# Altium PCB TIDA-010933-RevA.PcbDoc (part 1 of 9) (continued)
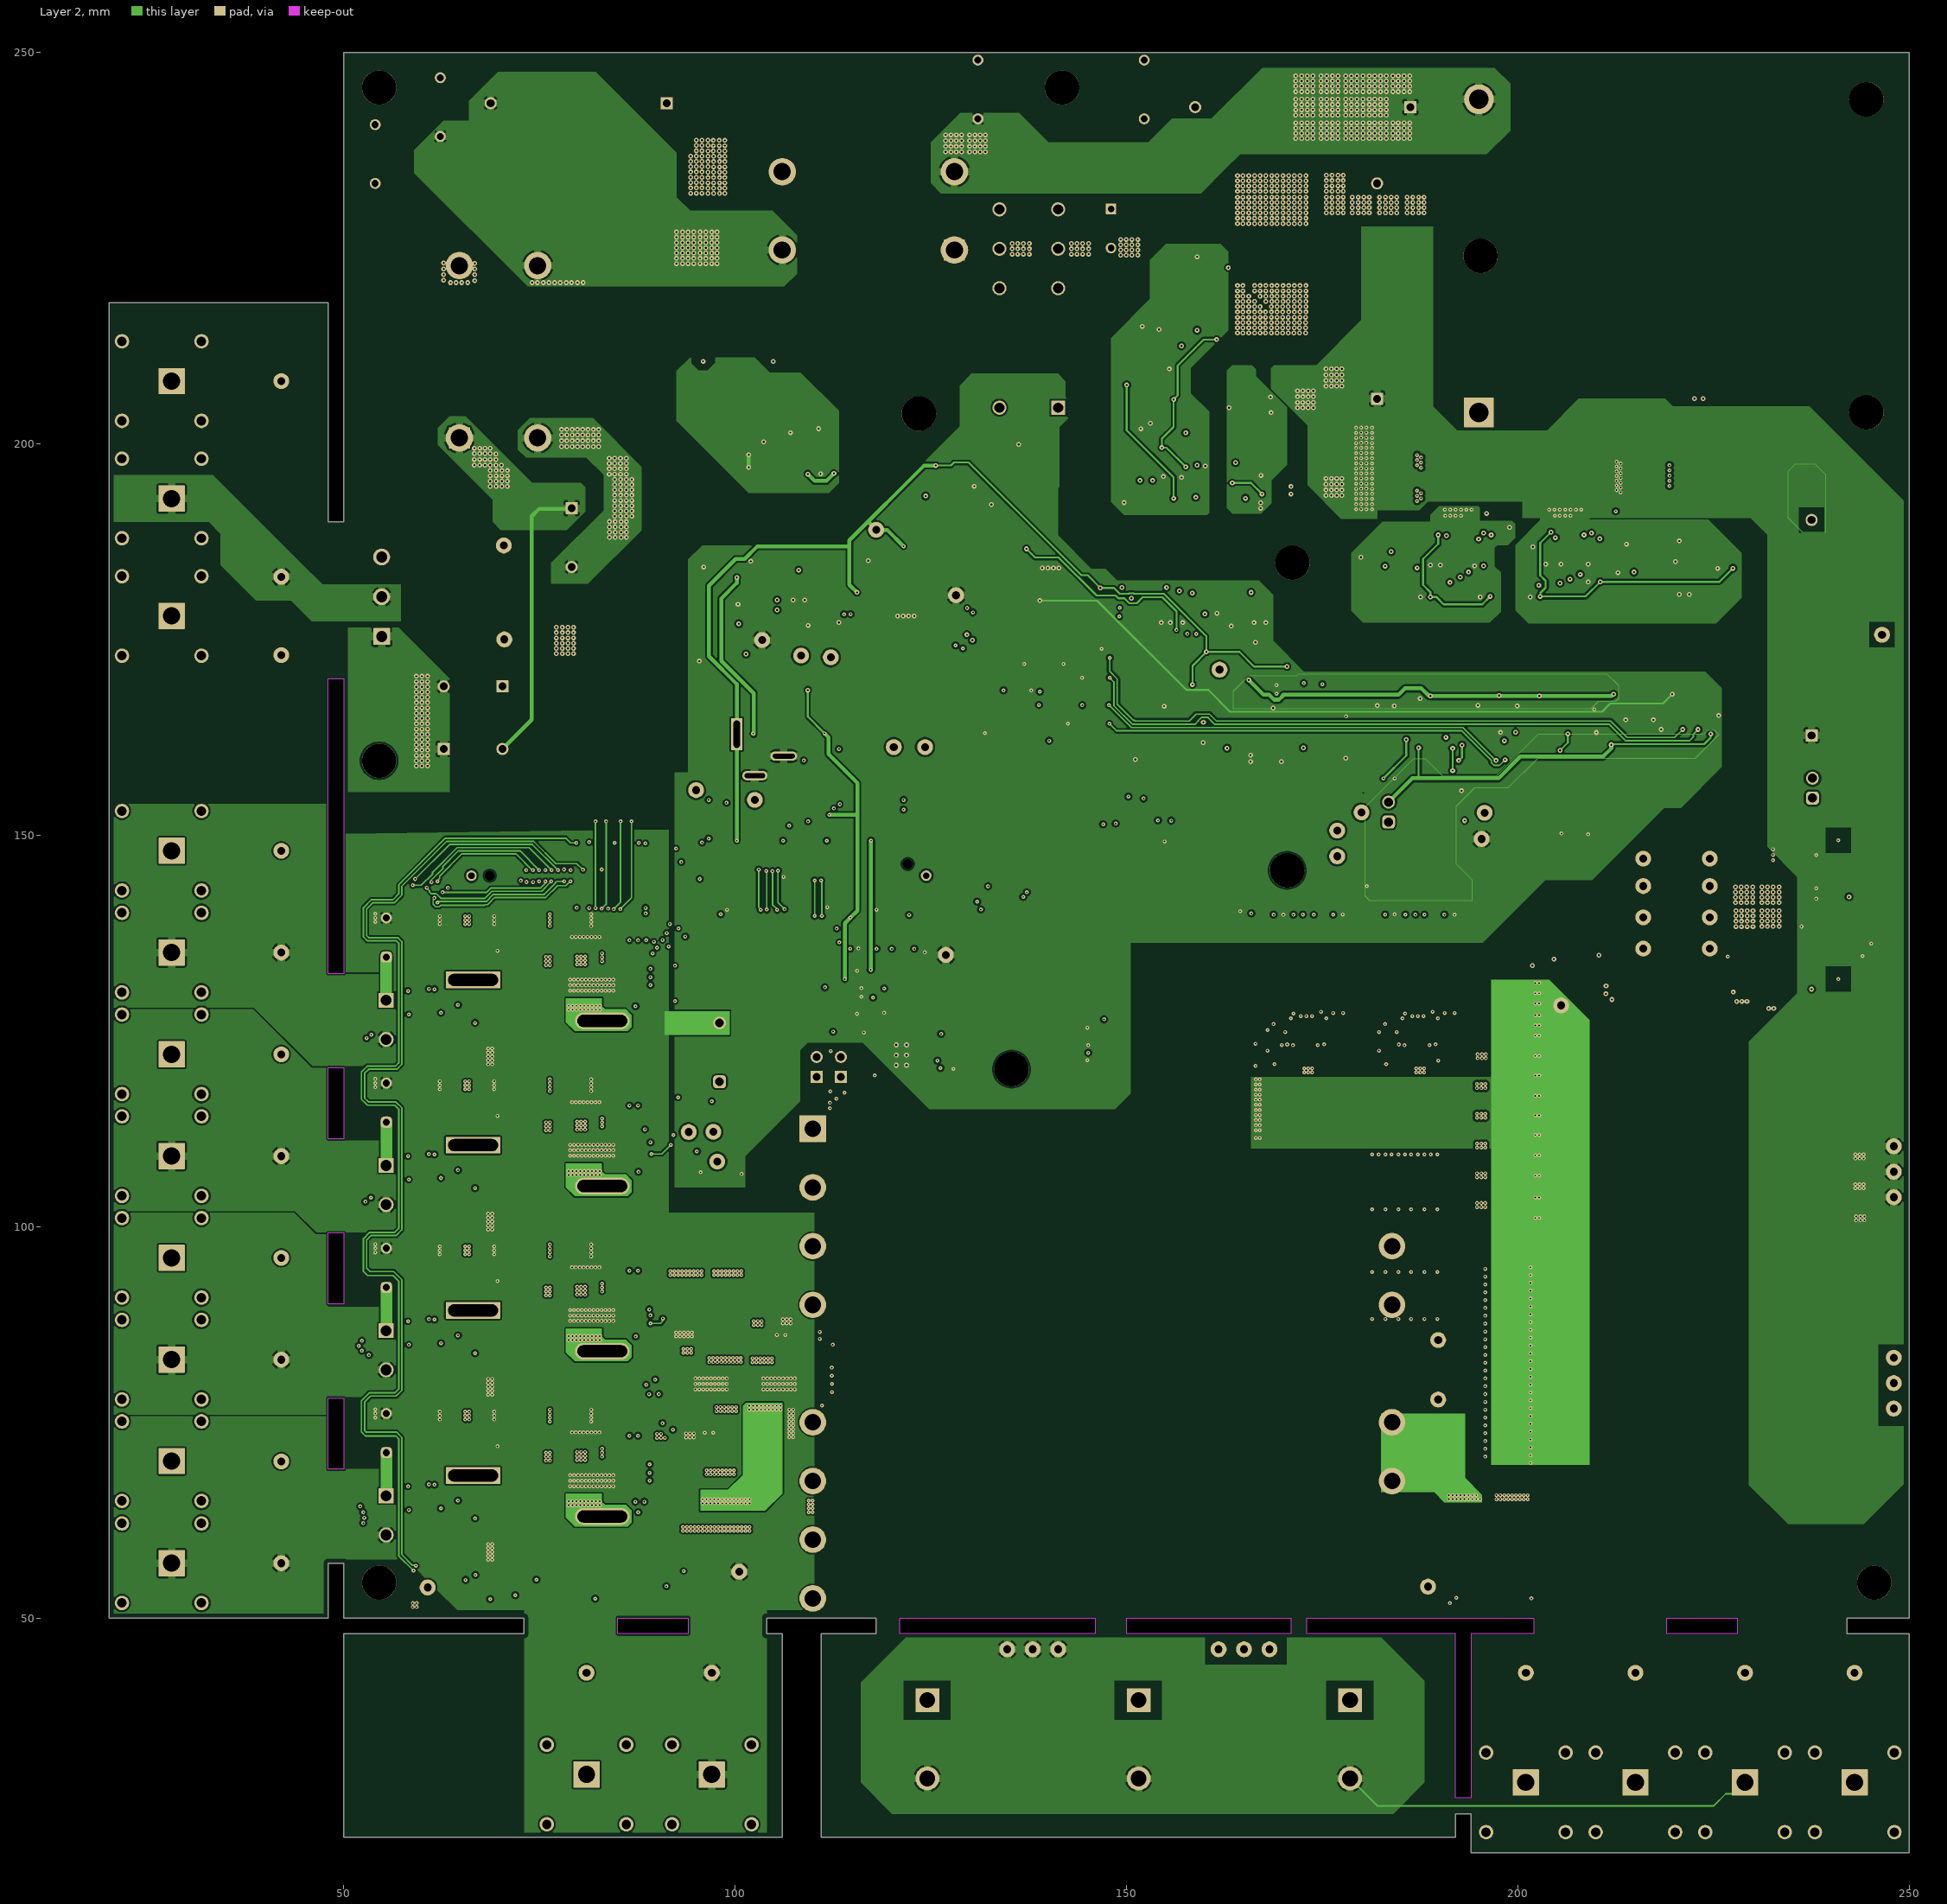
[diagram p3: Layer 2]

## Layer stack, top to bottom
Top Solder: solder mask 0.0102, Solder Resist, Dk 3.5
Top Layer: signal copper 0.07
Dielectric 1: prepreg 0.1168, PP-016, Dk 4.4
Layer 1: signal copper 0.035
Dielectric 3: core 0.1016, Core-011, Dk 4.4
Dielectric1: core 0.9906, Core-042, Dk 4.6
Dielectric 4: core 0.1016, Core-011, Dk 4.4
Layer 2: signal copper 0.035
Dielectric 2: prepreg 0.1168, PP-016, Dk 4.4
Bottom Layer: signal copper 0.07
Bottom Solder: solder mask 0.0102, Solder Resist, Dk 3.5

## Board outline
50,22 50,48 73,48 73,50 50,50 50,57 48,57 48,50 20,50 20,218 48,218 48,190 50,190 50,250 250,250 250,50 242,50 242,48 250,48 250,20 194,20 194,25 192,25 192,22 111,22 111,48 118,48 118,50 104,50 104,48 106,48 106,22
cut-out: 202,48 194,48 194,27 192,27 192,48 173,48 173,50 202,50
cut-out: 219,50 228,50 228,48 219,48
cut-out: 85,50 94,50 94,48 85,48
cut-out: 50,170 50,132.3 48,132.3 48,170
cut-out: 50,120.3 50,111.2 48,111.2 48,120.3
cut-out: 50,99.2 50,90.1 48,90.1 48,99.2
cut-out: 50,78.1 50,69 48,69 48,78.1
cut-out: 171,48 150,48 150,50 171,50
cut-out: 146,48 121,48 121,50 146,50

## Design rules (kind name [scope] priority, off if disabled: settings)
AcuteAngle [All] p1: minimum=4.50000000000000E+0001 checktracksonly=TRUE
AssemblyTestPointUsage [All] p1: valid=2
BoardOutlineClearance BoardOutlineClearance_MountingHoles [OnCopper and InComponentClass('Mounting Holes')] p1: gap=0.8 ignorepadtopadclearanceinfootprint=FALSE
BoardOutlineClearance BoardOutlineClearance_Poly [OnCopper and IsPoly] p2: gap=0.6 ignorepadtopadclearanceinfootprint=FALSE
BoardOutlineClearance [OnCopper and Not InComponentClass('Logo') and not InComponentClass('FiducialMark') and not InRegion(1000,500,4000,800) and not InPoly and not HasFootprint('*FCR7350*')] p3: gap=0.8 ignorepadtopadclearanceinfootprint=FALSE
Clearance Clearance_Midnode [InNet('MidNode1') vs InNet('MidNode2')] p1: gap=0.2 ignorepadtopadclearanceinfootprint=TRUE
Clearance Clearance_75V_Internal [(InNetClass('75V') AND NOT (OnLayer('Bottom Layer') OR OnLayer('Top Layer')))] p2: gap=0.2 ignorepadtopadclearanceinfootprint=TRUE
Clearance Clearance_75V_TopBottom [(InNetClass('75V') AND (OnLayer('Bottom Layer') OR OnLayer('Top Layer'))) vs NOT IsBoardCutoutRegion] p3: gap=0.6 ignorepadtopadclearanceinfootprint=TRUE
Clearance Clearance_400V_Internal [InNetClass('HVP') vs NOT InNetClass('HVP') AND NOT (OnLayer('Bottom Layer') OR OnLayer('Top Layer')) AND NOT IsBoardCutoutRegion] p4: gap=0.3 ignorepadtopadclearanceinfootprint=TRUE
Clearance Clearance_400V_TopBottom [InNetClass('HVP') vs NOT InNetClass('HVP') AND (OnLayer('Bottom Layer') OR OnLayer('Top Layer')) AND NOT IsBoardCutoutRegion] p5: gap=2.5 ignorepadtopadclearanceinfootprint=TRUE
Clearance Clearance_SWNODE_Internal [InNetClass('HV_SW_Node') vs (NOT InNetClass('HV_SW_Node') AND NOT (OnLayer('Bottom Layer') OR OnLayer('Top Layer'))) AND NOT IsBoardCutoutRegion] p6: gap=0.3 ignorepadtopadclearanceinfootprint=TRUE
Clearance Clearance_SWNODE [InNetClass('HV_SW_Node') vs (NOT InNetClass('HV_SW_Node') AND (OnLayer('Bottom Layer') OR OnLayer('Top Layer'))) AND NOT IsBoardCutoutRegion] p7: gap=2.5 ignorepadtopadclearanceinfootprint=TRUE
Clearance Clearance_SWNODE_Internal_LF [InNetClass('LF_SW2') vs (NOT InNetClass('LF_SW2') AND NOT (OnLayer('Bottom Layer') OR OnLayer('Top Layer'))) AND InAnyNet] p8: gap=0.3 ignorepadtopadclearanceinfootprint=TRUE
Clearance Clearance_SWNODE_LF [InNetClass('LF_SW2') vs (NOT InNetClass('LF_SW2') AND (OnLayer('Bottom Layer') OR OnLayer('Top Layer'))) AND InAnyNet] p9: gap=2.5 ignorepadtopadclearanceinfootprint=TRUE
Clearance Clearance_SWNODE_Internal_1 [InNetClass('HF_SW') vs (NOT InNetClass('HF_SW') AND NOT (OnLayer('Bottom Layer') OR OnLayer('Top Layer'))) AND InAnyNet] p10: gap=0.3 ignorepadtopadclearanceinfootprint=TRUE
Clearance Clearance_SWNODE_1 [InNetClass('HF_SW') vs (NOT InNetClass('HF_SW') AND (OnLayer('Bottom Layer') OR OnLayer('Top Layer'))) AND InAnyNet] p11: gap=2.5 ignorepadtopadclearanceinfootprint=TRUE
Clearance Clearance_DCLINK- [InNetClass('HV_DCBUS-') vs Not InNetClass('HV_DCLINK-') AND NOT IsBoardCutoutRegion] p12: gap=2.5 ignorepadtopadclearanceinfootprint=TRUE
Clearance Clearance_Keepouts [((IsTrack Or IsArc) And Not InPoly) And IsFree and IsKeepOut vs ((IsTrack Or IsArc) And Not InPoly) And IsFree and IsKeepOut] p13: gap=0 ignorepadtopadclearanceinfootprint=FALSE
Clearance Clearance_Poly [InPolygon] p14: gap=0.254 ignorepadtopadclearanceinfootprint=TRUE
Clearance Clearance_FiducialMark [IsKeepOut and InComponentClass('FiducialMark') vs IsPad and InComponentClass('FiducialMark')] p15: gap=0 ignorepadtopadclearanceinfootprint=FALSE
Clearance [All] p16: gap=0.2 ignorepadtopadclearanceinfootprint=TRUE
ComponentClearance ComponentClearance_CCard [InComponent('MCU100B_PCB')] p1: gap=-100 collisioncheckmode=3 verticalgap=-100 showdistances=FALSE
ComponentClearance ComponentClearance_MountingHoles_FiducialMarks [InComponentClass('Mounting Holes') vs InComponentClass('FiducialMark')] p2: gap=1.27 collisioncheckmode=3 verticalgap=0.254 showdistances=FALSE
ComponentClearance ComponentClearance_Shunt [InComponentClass('Header') vs InComponentClass('Shunt')] p3: gap=0 collisioncheckmode=3 verticalgap=0 showdistances=FALSE
ComponentClearance ComponentClearance_Logo [InComponentClass('Logo')] p4: gap=0.762 collisioncheckmode=3 verticalgap=0.254 showdistances=FALSE
ComponentClearance ComponentClearance_ScrewToNut [(HasFootprint('NY PMS 440 0025 PH')) vs (HasFootprint('Keystone_1902C'))] p5: gap=0.127 collisioncheckmode=3 verticalgap=0.254 showdistances=FALSE
ComponentClearance ComponentClearance_MountingHoles [InComponentClass('Mounting Holes')] p6: gap=2 collisioncheckmode=3 verticalgap=2540 showdistances=FALSE
ComponentClearance ComponentClearance_SmallPassives [HasFootprint('0201*') or HasFootprint('0402*') or HasFootprint('0508') or HasFootprint('0603*') or HasFootprint('0612') or HasFootprint('0805*') or HasFootprint('0815*') or HasFootprint('0830*') or HasFootprint('1206*') or HasFootprint('1210*') or HasFootprint('1808*') or HasFootprint('1812*') or HasFootprint('1825*') or HasFootprint('2010*') or HasFootprint('2220*') or HasFootprint('2225*') or HasFootprint('2512*') or HasFootprint('2728*') or HasFootprint('3518*') vs HasFootprint('0201*') or HasFootprint('0402*') or HasFootprint('0508') or HasFootprint('0603*') or HasFootprint('0612') or HasFootprint('0805*') or HasFootprint('0815*') or HasFootprint('0830*') or HasFootprint('1206*') or HasFootprint('1210*') or HasFootprint('1808*') or HasFootprint('1812*') or HasFootprint('1825*') or HasFootprint('2010*') or HasFootprint('2220*') or HasFootprint('2225*') or HasFootprint('2512*') or HasFootprint('2728*') or HasFootprint('3518*')] p7: gap=0.38 collisioncheckmode=3 verticalgap=0.254 showdistances=FALSE
ComponentClearance ComponentClearance_THtoSMT [IsThruComponent vs IsSMTComponent] p8: gap=0.762 collisioncheckmode=3 verticalgap=0.762 showdistances=FALSE
ComponentClearance ComponentClearance_THtoTH [IsThruComponent vs IsThruComponent] p9: gap=0.508 collisioncheckmode=3 verticalgap=0.762 showdistances=FALSE
ComponentClearance [All] p10: gap=0.508 collisioncheckmode=3 verticalgap=0.254 showdistances=FALSE
DiffPairsRouting [All] p1: maxlimit=2.54 minlimit=0.254 mostfreqgap=0.254 toplayer_minwidth=0.381 toplayer_maxwidth=0.381 toplayer_prefwidth=0.381 midlayer1_minwidth=0.381 midlayer1_maxwidth=0.381 midlayer1_prefwidth=0.381 midlayer2_minwidth=0.381 midlayer2_maxwidth=0.381 midlayer2_prefwidth=0.381 bottomlayer_minwidth=0.381 bottomlayer_maxwidth=0.381 bottomlayer_prefwidth=0.381 maxuncoupledlength=25.4
FabricationTestPointUsage TestPointUsage [All] p1: valid=2 allowmultiple=FALSE
FabricationTestpoint Testpoint [All] p1: side=3 testpointundercomponent=TRUE minsize=1.016 maxsize=2.54 preferedsize=1.524 minholesize=0 maxholesize=1.016 preferedholesize=0.813 testpointgrid=0.025 allowsidetop=TRUE allowsidebottom=TRUE usegrid=TRUE gridtolerance=0
FanoutControl Fanout_LCC [IsLCC] p1: bgadir=Out bgaviamode=Centered fanoutstyle=Auto fanoutdirection=Alternating viagrid=0.025 // Fanout_LCC (Default Rule)
FanoutControl Fanout_BGA [IsBGA] p2: bgadir=Out bgaviamode=Centered fanoutstyle=Auto fanoutdirection=Alternating viagrid=0.025 // Fanout_BGA (Default Rule)
FanoutControl Fanout_Default [All] p4: bgadir=Out bgaviamode=Centered fanoutstyle=Auto fanoutdirection=Alternating viagrid=0.025 // Fanout_Default (Default Rule)
FanoutControl Fanout_Small [(CompPinCount < 5)] p5: bgadir=Out bgaviamode=Centered fanoutstyle=Auto fanoutdirection=OutThenIn viagrid=0.025 // Fanout_Small (Default Rule)
Height [All] p1: minheight=0 maxheight=29 prefheight=12.7
HoleSize [All] p1: absolutevalues=TRUE maxlimit=6.375 minlimit=0.2 maxpercent=80.000 minpercent=20.000
MinimumAnnularRing MinimumAnnularRing_ThermalPadVias [IsVia and InAnyComponent] p1: minimumring=0.15
MinimumAnnularRing [All] p2: minimumring=0.15
MinimumSolderMaskSliver MinimumSolderMaskSliver_Logo [InComponentClass('Logo') vs InComponentClass('Logo')] p1: minsoldermaskwidth=0.018
MinimumSolderMaskSliver [All] p2: minsoldermaskwidth=0.1
PlaneConnect [All] p1: planeconnectstyle=Relief reliefexpansion=0.254 reliefentries=4 reliefconductorwidth=0.254 reliefairgap=0.254
PolygonConnect "Top GaN DCAC" [(IsNamedPolygon('BOTTOM_LAYER_DCLINK+_HV_P014')) OR (IsNamedPolygon('BOTTOM_LAYER_GND_HS_GAN_P013'))] p1: thpad.connectstyle=Direct thpad.reliefconductorwidth=0.254 thpad.reliefentries=4 thpad.polygonreliefangle="90 Angle" thpad.airgapwidth=0.254 smdpad.connectstyle=Relief smdpad.reliefconductorwidth=0.254 smdpad.reliefentries=4 smdpad.polygonreliefangle="90 Angle" smdpad.airgapwidth=0.254 via.connectstyle=Direct via.reliefconductorwidth=0.254 via.reliefentries=4 via.polygonreliefangle="90 Angle" via.airgapwidth=0.254
PolygonConnect "Bottom GaN DCAC" [(IsNamedPolygon('Bottom Layer-GND_HV_SUPPLY'))] p2: thpad.connectstyle=Direct thpad.reliefconductorwidth=0.254 thpad.reliefentries=4 thpad.polygonreliefangle="90 Angle" thpad.airgapwidth=0.254 smdpad.connectstyle=Relief smdpad.reliefconductorwidth=0.254 smdpad.reliefentries=4 smdpad.polygonreliefangle="90 Angle" smdpad.airgapwidth=0.254 via.connectstyle=Direct via.reliefconductorwidth=0.254 via.reliefentries=4 via.polygonreliefangle="90 Angle" via.airgapwidth=0.254
PolygonConnect "Direct Connectio Pad" [InNetClass('PADs_With_Direct_Connection') or InNet('NETF1_2')or InNet('NETF1_1') or InNet('NetF2_2') or InNet('NETF2_1') or InNet('NetL10_4')  or InNet('NETR122_1') or InNet('NETR127_1')  or InNet('NetC170_1')or InNet('NetR135_1')or InNet('NETR184_2') or InNet('NetC169_2') or InNet('NetR134_1') or InNet('GND_VM_HV')  or InNet('NetC184_2')  or InNet('DCLINK+_HV')  or InNet('GND_HS_Si') or InNet('HVN')  or InNet('NetR121_1') or InNet('NetR120_1') or InNet('NetC167_2')       or InNet('NetD10_1') or InNet('NetC118_1')] p3: thpad.connectstyle=Relief thpad.reliefconductorwidth=1 thpad.reliefentries=4 thpad.polygonreliefangle="90 Angle" thpad.airgapwidth=0.25 smdpad.connectstyle=Direct smdpad.reliefconductorwidth=1 smdpad.reliefentries=4 smdpad.polygonreliefangle="90 Angle" smdpad.airgapwidth=0.254 via.connectstyle=Direct via.reliefconductorwidth=1 via.reliefentries=4 via.polygonreliefangle="90 Angle" via.airgapwidth=0.254
PolygonConnect PolygonConnect_Power [InNet('PGND_LV') OR InNet('75V')] p4: thpad.connectstyle=Relief thpad.reliefconductorwidth=1 thpad.reliefentries=4 thpad.polygonreliefangle="90 Angle" thpad.airgapwidth=0.25 smdpad.connectstyle=Relief smdpad.reliefconductorwidth=1 smdpad.reliefentries=4 smdpad.polygonreliefangle="90 Angle" smdpad.airgapwidth=0.25 via.connectstyle=Direct via.reliefconductorwidth=0.254 via.reliefentries=4 via.polygonreliefangle="90 Angle" via.airgapwidth=0.254
PolygonConnect "Generic Rule" [All] p5: thpad.connectstyle=Relief thpad.reliefconductorwidth=1 thpad.reliefentries=4 thpad.polygonreliefangle="90 Angle" thpad.airgapwidth=0.254 smdpad.connectstyle=Relief smdpad.reliefconductorwidth=0.254 smdpad.reliefentries=4 smdpad.polygonreliefangle="90 Angle" smdpad.airgapwidth=0.254 via.connectstyle=Direct via.reliefconductorwidth=0.254 via.reliefentries=4 via.polygonreliefangle="90 Angle" via.airgapwidth=0.254
RoomDefinition C [InComponentClass('C')] p1 off: confinementstyle=ConfineIn formatcopy=TRUE lockcomponents=FALSE outline 49.9,77.536 89.823,77.536 89.823,100.8 49.9,100.8
RoomDefinition B [InComponentClass('B')] p2 off: confinementstyle=ConfineIn formatcopy=TRUE lockcomponents=FALSE outline 49.9,98.636 89.823,98.636 89.823,121.9 49.9,121.9
RoomDefinition A [InComponentClass('A') vs False] p3 off: confinementstyle=ConfineIn formatcopy=TRUE lockcomponents=FALSE outline 49.9,119.736 89.823,119.736 89.823,143 49.9,143
RoomDefinition D [InComponentClass('D') vs False] p4 off: confinementstyle=ConfineIn formatcopy=TRUE lockcomponents=FALSE outline 49.9,56.436 89.823,56.436 89.823,79.7 49.9,79.7
RoutingVias ThermalPadVias [IsVia and InAnyComponent] p1: holewidth=0.2 width=0.5 viastyle="Through Hole" minholewidth=0.2 minwidth=0.5 maxholewidth=0.5 maxwidth=1
RoutingVias [All] p2: holewidth=0.2 width=0.5 viastyle="Through Hole" minholewidth=0.2 minwidth=0.5 maxholewidth=1.016 maxwidth=1.651
SilkToBoardRegionClearance [Not ((IsComment or IsDesignator) And (Hide <> 'False')) and not InRegion(1000,500,4000,800)] p1:
SilkToSilkClearance SilkToSilkClearance_Pb-FreeLogo [(HasFootprint('Pb-Free_Overlay_Medium') OR HasFootprint('Pb-Free_Overlay_Small')) vs (HasFootprint('Pb-Free_Overlay_Medium') OR HasFootprint('Pb-Free_Overlay_Small'))] p1: silktosilkclearance=0
SilkToSilkClearance [All] p2: silktosilkclearance=0
SilkToSolderMaskClearance SilkToComponentPadClearance [(IsPad or IsFill or IsRegion) and InAnycomponent] p1: minsilkscreentomaskgap=0.01 clearancetoexposedcopper=TRUE
SilkToSolderMaskClearance "Silk to Solder Mask Opening" [All] p2: minsilkscreentomaskgap=0.01 clearancetoexposedcopper=FALSE
SolderMaskExpansion [All] p1: expansion=0.05 istentingtop=FALSE
Width [All] p1: maxlimit=5 minlimit=0.2 preferedwidth=0.5
14 further rules are at their usual default settings.

## Classes and differential pairs
net class HV: 5V_HS_Si 5V_LS_CM 5V_LS_GaN DCLINK+_HV GND_HS_GaN GND_HS_Si GND_HV GND_VM_HV GRID_GND HVN NetC118_1 NetC119_1 NetC167_2 NetC168_1 NetC169_2 NetC170_1 NetC182_1 NetC183_1 NetC183_2 NetC184_2 NetC185_2 NetC187_2 NetC190_1 NetC190_2 NetC191_2 NetC193_1 NetC195_1 NetD7_2 NetD10_1 NetD10_2 NetD11_2 NetF1_1 NetF1_2 NetF2_1 NetF2_2 NetK1_7 NetK1_12 NetL10_4 NetQ2_1 NetQ2_3 NetR74_1 NetR79_2 NetR80_1 NetR81_1 NetR82_1 NetR87_2 NetR120_1 NetR121_1 NetR122_1 NetR127_1 NetR134_1 NetR135_1 NetU28_4
net class HVP: DCLINK+_HV GAN_NC1 GAN_NC2 GAN_NC20 GAN_NC21
net class HV_SW_Node: 5V_H FAULT_H GAN_NC3 GAN_NC4 GAN_NC5 GAN_NC6 GAN_NC7 GAN_NC8 GAN_NC9 NetC80_1 NetC83_1 NetC86_1 NetD33_2 NetL2_2 NetR57_1 NetR60_2 OC_H SW_Node TEMP_H
net class LV: 3V3 5V 5V_AUX 5V_PG AC_CS+ AC_CS- AC_VS+ AC_VS- DC_BUS_CS+ DC_BUS_CS- DC_BUS_VS+ DC_BUS_VS- DCAC_E\N\A\B\L\E\ E\N\A\B\L\E F\A\U\L\T\_\G\a\N\ F\A\U\L\T\_\H\S\_\G\a\N\ F\A\U\L\T\_\L\S\_\G\a\N\ GND GRID_GND GRID_GND_1 GRID_GND_2 NetC124_1 NetC129_1 NetC141_1 NetC146_1 NetC149_1 NetC158_1 NetC164_1 NetC192_2 NetC194_2 NetC196_1 NetC197_1 NetC198_1 NetC199_1 NetC200_1 NetC201_1 NetC202_1 NetC203_1 NetC204_1 NetC209_1 NetC210_1 NetC211_1 NetC212_1 NetD8_2 NetD12_2 NetD13_2 NetD14_2 NetD32_2 NetMP201_1 NetMP202_1 NetMP203_1 NetMP204_1 NetMP207_1 NetMP208_1 NetMP209_1 NetMP210_1 NetR95_2 NetR112_2 NetR149_1 NetR150_2 NetR154_1 NetR155_2 NetR156_2 NetR158_2 NetR159_1 NetR160_2 NetR161_2 NetR162_2 NetR170_1 NetT3_4 NetT3_6 NetT4_4 NetT4_6 NetT5_4 NetT5_6 NetTP230_1 NetTP231_1 NetU204_10 NetU207_1 NetU212_7 NetU217_2 NetU217_5 O\C\_\G\a\N\ O\C\_\H\S\_\G\a\N\ O\C\_\L\S\_\G\a\N\ PFC_FAULT PFC_H_PWM PFC_H_TEMP PFC_L_PWM PFC_L_TEMP PFC_OC PFC_RECT_H_PWM PFC_RECT_L_PWM PWM_HS_GaN PWM_HS_Si PWM_LS_GaN PWM_LS_Si RELAY RELAY_MCU TEMP_HS_GaN TEMP_LS_GaN
net class LF_SW2: 5V_HS_Si 12V_HS_Si GND_HS_Si NetC122_2 NetC137_1 NetC167_2 NetC183_1 NetC183_2 NetC191_2 NetD15_2 NetD16_2 NetD23_1 NetD23_2 NetD207_2 NetT200_2 NetU212_13
net class HVN: 5V_LS_CM 5V_LS_GaN 12V_LS_GaN 12V_LS_Si GAN_NC25 GAN_NC29 GAN_NC30 GAN_NC31 GND_HV GND_LS_Si HVN NetC156_1 NetC157_1 NetC159_1 NetC160_2 NetC182_1 NetC190_1 NetC190_2 NetC193_1 NetC195_1 NetD25_2 NetD26_2 NetD27_1 NetD27_2 NetD28_2 NetD29_2 NetL6_2 NetR114_1 NetR115_1 NetT202_2 NetU25_46 NetU25_48 NetU25_49 NetU213_17 NetU213_25 NetU213_27 NetU213_43 NetU213_47 NetU213_52
net class HF_SW: 5V_HS_GaN 12V_HS_GaN GAN_NC22 GAN_NC23 GAN_NC24 GAN_NC26 GAN_NC27 GAN_NC28 GND_HS_GaN NetC126_2 NetC139_1 NetC142_1 NetD17_2 NetD24_2 NetL5_2 NetR98_1 NetR99_1 NetT201_2 NetU22_46 NetU22_48 NetU22_49 NetU210_17 NetU210_27 NetU210_43 NetU210_47 NetU210_52
component class U_Power_Switches_1: C122 C123 C124 C125 C126 C127 C128 C129 C130 C131 C132 C133 C134 C135 C136 C137 C138 C139 C140 C141 C142 C143 C144 C145 C146 C147 C148 C149 C150 C151 C152 C153 C154 C155 C156 C157 C158 C159 C160 C161 C162 C163 C164 C165 C166 D15 D16 D17 D18 D19 D20 D21 D22 D23 D24 D25 D26 D27 D28 D29 D30 D31 FB2 FB3 FB4 FB5 L5 L6 L7 Q3 Q4 R92 R93 R94 R95 R96 R97 R98 R99 R100 R101 R102 R103 R104 R105 R106 R107 R108 R109 R110 R111 R112 R113 R114 R115 R116 R117 T3 T4 T5 TP27 TP28 TP29 TP30 TP63 TP70 TP71 TP72 U20 U21 U22 U23 U24 U25 U26 U27
component class U_Aux_Power_Supply: C116 C117 C118 C119 C120 C121 D7 D8 D9 D10 D11 D12 D13 D14 J6 J7 J8 Q2 R74 R75 R76 R77 R78 R79 R80 R81 R82 R83 R84 R85 R86 R87 R88 R89 R90 R91 TP14 TP15 TP16 TP17 TP18 TP19 TP20 TP21 TP22 TP23 TP24 TP25 TP26 U18 U19
component class DCAC: !PCB200 C167 C168 C169 C170 C171 C172 C173 C174 C175 C176 C177 C178 C179 C180 C181 C182 C183 C184 C185 C186 C187 C188 C189 C190 C191 C192 C193 C194 C195 C196 C197 C198 C199 C200 C201 C202 C203 C204 C205 C206 C207 C208 C209 C210 C211 C212 C213 C214 C215 C216 C217 C220 C221 D32 F1 F2 FB6 FB7 FB8 FB9 FB10 FB11 FB12 FB13 FID1 FID2 FID3 FID4 FID5 FID6 J9 J16 J17 J18 J19 J20 K1 L8 L9 L10 L11 Logo1 Logo2 LOGO3 LOGO4 Logo5 MP5 MP6 MP7 MP8 MP9 MP10 MP11 MP12 MP13 Q5 R118 R119 R120 R121 R122 R123 R124 R125 R126 R127 R128 R129 R130 R131 R132 R133 R134 R135 R136 R137 R138 R139 R140 R141 R142 R143 R144 R145 R146 R147 R148 R149 R150 R151 R152 R153 R154 R155 R156 R157 R158 R159 R160 R161 R162 R163 R164 R165 R166 R167 R168 R169 R170 R171 R172 R173 R174 R175 R176 R177 R178 R179 R180 R181 R182 TP31 TP32 TP33 TP34 TP35 TP36 TP37 TP38 TP39 TP40 TP41 TP42 TP43 TP44 TP45 TP46 TP47 TP56 TP57 TP58 TP59 TP60 TP61 TP62 TP64 TP65 TP66 TP67 TP68 TP69 TP73 TP74 U28 U29 U30 U31 U32 U33 U34 U35 ZZ1 ZZ2 ZZ3
component class AssemblyNote: ZZ1 ZZ2 ZZ3
channel class TIDA-010933-DCDC-Boost: A B C D
component class OpAmp: C23 C24 C25 C26 C27 C28 C29 C30 C31 C32 C33 C34 C35 C36 R19 R20 R21 R22 R23 R24 R25 R26 R27 R28 R29 R30 R31 R32 R33 R34 R35 R36 R37 R38 U4
net class HV_DCBUS-: NetD2_2
component class Header: J3 J4 J5 J6 J7
component class Power: C100 C101 C102 C103 C104 C105 C106 C107 C108 C109 C110 C111 C112 C113 C114 C115 D5 D6 J4 J5 L4 R66 R67 R68 R69 R70 R71 R72 R73 T2 U14 U15 U16 U17
component class TIDA-010933-DCDC-Top: C1 R1 R2 R3 TP1 TP2 TP3 TP4 TP5 TP6
component class ControlCard: J2 J3 R65 R185
component class Label: LBL1
component class FiducialMark: FID1 FID2 FID3 FID4 FID5 FID6
component class Hardware: !PCB LBL1 MP2 MP3 MP4
net class HV_DCLINK-: 5V_L 12_HV FAULT_L GAN_NC10 GAN_NC11 GAN_NC12 GAN_NC13 GAN_NC14 GND_HV NetC94_1 NetC97_1 NetD5_2 NetD6_2 NetD34_2 NetL3_2 NetR61_1 NetR64_2 OC_L TEMP_L
net class 75V: 75V BoostIN_A BoostIN_B BoostIN_C BoostIN_D NetC56_1 NetC56_2 NetL1_A_2 NetL1_B_2 NetL1_C_2 NetL1_D_2 NetT1_1 NetTP48_1
component class HV_GaN: C80 C81 C82 C83 C84 C85 C86 C87 C88 C89 C90 C91 C92 C93 C94 C95 C96 C97 C98 C99 C218 C219 D2 D3 D4 D33 D34 FB1 L2 L3 R56 R57 R58 R59 R60 R61 R62 R63 R64 R183 R184 TP11 TP12 TP13 U10 U11 U12 U13
component class D: C2_D C3_D C4_D C5_D C6_D C7_D C8_D C9_D C10_D C11_D C12_D C13_D C14_D C15_D C16_D C17_D C18_D C19_D C20_D C21_D C22_D D1_D J1_D J10_D J11_D L1_D Q1_D R4_D R5_D R6_D R7_D R8_D R9_D R10_D R11_D R12_D R13_D R14_D R15_D R16_D R17_D R18_D TP50_D TP51_D U1_D U2_D U3_D
component class C: C2_C C3_C C4_C C5_C C6_C C7_C C8_C C9_C C10_C C11_C C12_C C13_C C14_C C15_C C16_C C17_C C18_C C19_C C20_C C21_C C22_C D1_C J1_C J10_C J11_C L1_C Q1_C R4_C R5_C R6_C R7_C R8_C R9_C R10_C R11_C R12_C R13_C R14_C R15_C R16_C R17_C R18_C TP50_C TP51_C U1_C U2_C U3_C
component class CLLLC: C37 C38 C39 C40 C41 C42 C43 C44 C45 C46 C47 C48 C49 C50 C51 C52 C53 C54 C55 C56 C57 C58 C59 C60 C61 C62 C63 C64 C65 C66 C67 C68 C69 C70 C71 C72 C73 C74 C75 C76 C77 C78 C79 C222 J12 J13 J14 J15 R39 R40 R41 R42 R43 R44 R45 R46 R47 R48 R49 R50 R51 R52 R53 R54 R55 R186 T1 TP7 TP8 TP9 TP10 TP48 TP49 TP52 TP53 TP54 TP55 U5 U7 U8 U9